# KiCad board Soldered Inkplate 10.kicad_pcb (continued)
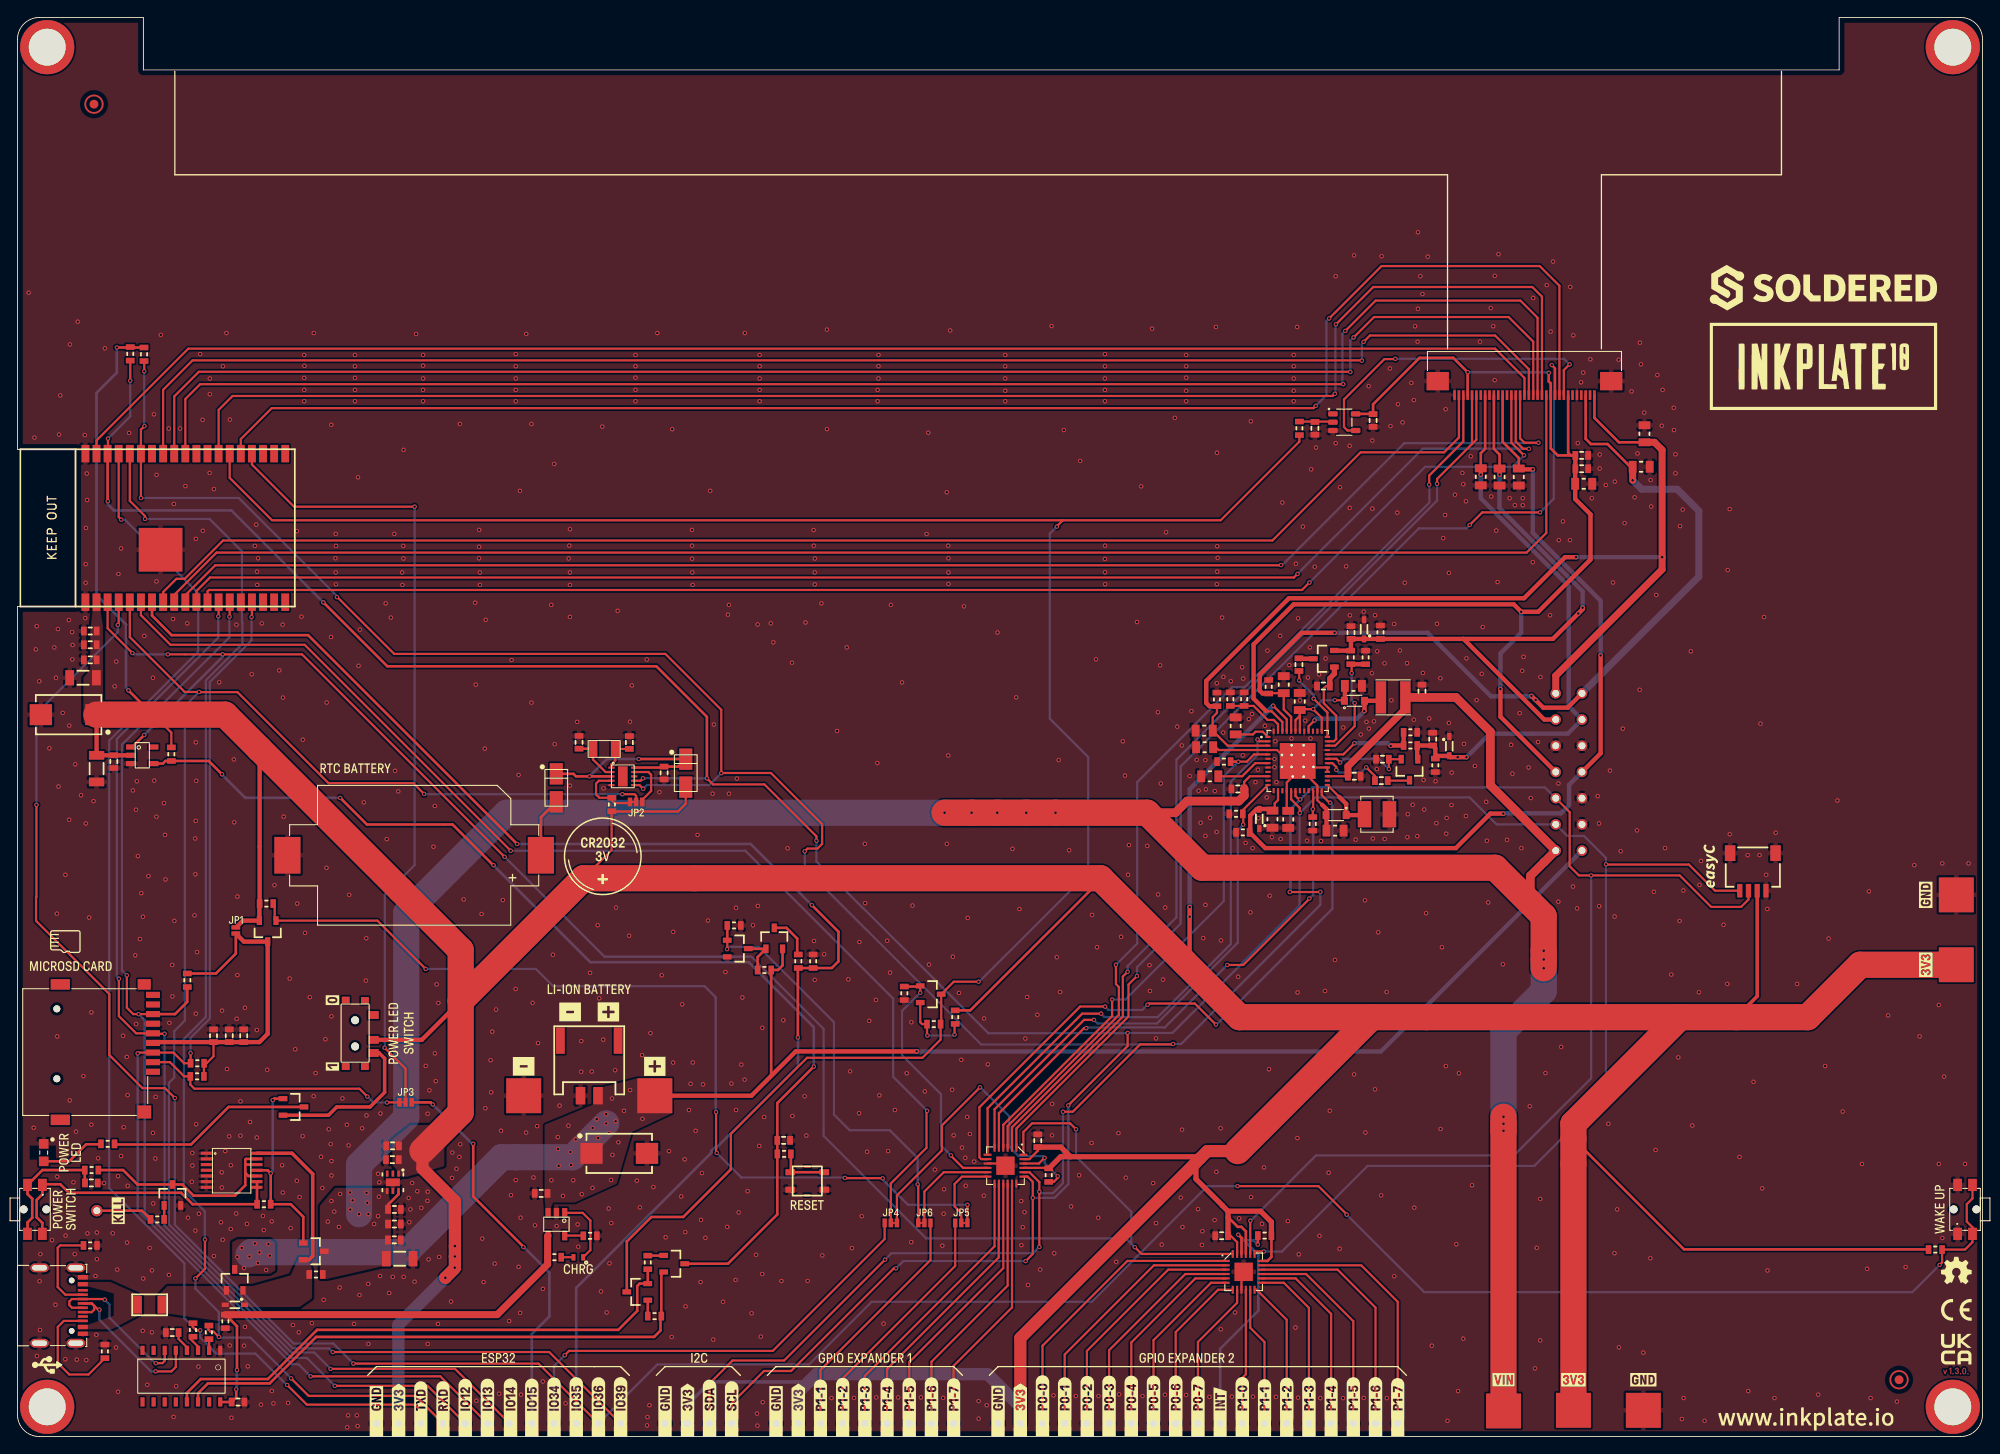
[diagram p0: board, top side]
## Footprints (pads in the part's own frame, mm; a bottom-side part is the same pattern mirrored in y, then rotated) (continued)
INKPLATE TEST HEADER
  round 1.2 hole 0.8: 1(-1.5,9) 2(-1.5,6) 3(-1.5,3) 4(-1.5,0) 5(-1.5,-3) 6(-1.5,-6) 7(-1.5,-9) 8(1.5,-9) 9(1.5,-6) 10(1.5,-3) 11(1.5,0) 12(1.5,3) 13(1.5,6) 14(1.5,9)
JST-2pin-SMD
  rect 1x3 smd: (-3.3,3.15) (3.3,3.15)
  rect 1.1x2 smd: 1(1,-3.15) 2(-1,-3.15)
K2-1114SA-A4SW-06
  round 0.9 hole 0.9 unplated: (0,1.3) (0,-1.3)
  rect 1.4x1 smd: 1(-2.8,0.85) 1(2.8,0.85) 2(-2.8,-0.85) 2(2.8,-0.85)
LTST-S270GKT
  rect 1.1x1.1 smd: 1(-1,0) 2(1,0)
M4_DIODA
  rect 2.45x1.5 smd: 1(-1.6,0) 2(1.6,0)
NR4012
  rect 1.2x3.7 smd: 1(-1.4,0) 2(1.4,0)
PAD_4x4
  rect 4x4 smd: 1(-0.2,0)
PAD_4x4#2
  rect 4x4 smd: 1(0,0)
PAD_4x4#3
  rect 4x4 smd: 1(0,-0.52)
PCAL6416AHF,128
  rect 0.9x0.24 smd: 1(-2.05,1.25) 2(-2.05,0.75) 3(-2.05,0.25) 4(-2.05,-0.25) 5(-2.05,-0.75) 6(-2.05,-1.25) 13(2.05,-1.25) 14(2.05,-0.75) 15(2.05,-0.25) 16(2.05,0.25) 17(2.05,0.75) 18(2.05,1.25)
  rect 0.24x0.9 smd: 7(-1.25,-2.05) 8(-0.75,-2.05) 9(-0.25,-2.05) 10(0.25,-2.05) 11(0.75,-2.05) 12(1.25,-2.05) 19(1.25,2.05) 20(0.75,2.05) 21(0.25,2.05) 22(-0.25,2.05) 23(-0.75,2.05) 24(-1.25,2.05)
  rect 2.1x2.1 smd: 25(0,0)
PCF85063A
  rect 1.1x2.3 smd: (0,0)
  rect 0.7x0.25 smd: 1(-1.3,1) 2(-1.3,0.5) 3(-1.3,0) 4(-1.3,-0.5) 5(-1.3,-1) 6(1.3,-1) 7(1.3,-0.5) 8(1.3,0) 9(1.3,0.5) 10(1.3,1)
SFV33R-1STE9HLF
  rect 0.3x1.1 smd: 1(-8,0.8) 2(-7.5,0.8) 3(-7,0.8) 4(-6.5,0.8) 5(-6,0.8) 6(-5.5,0.8) 7(-5,0.8) 8(-4.5,0.8) 9(-4,0.8) 10(-3.5,0.8) 11(-3,0.8) 12(-2.5,0.8) 13(-2,0.8) 14(-1.5,0.8) 15(-1,0.8) 16(-0.5,0.8) 17(0,0.8) 18(0.5,0.8) 19(1,0.8) 20(1.5,0.8) 21(2,0.8) 22(2.5,0.8) 23(3,0.8) 24(3.5,0.8) 25(4,0.8) 26(4.5,0.8) 27(5,0.8) 28(5.5,0.8) 29(6,0.8) 30(6.5,0.8) 31(7,0.8) 32(7.5,0.8) 33(8,0.8)
  rect 2.55x2.1 smd: 34(-9.925,-0.8) 34(9.925,-0.8)
SK-3296S-01-L1
  rect 0.9x1.2 smd: 1(2.1,-2.1) 2(-0.75,-2.1) 3(-2.25,-2.1)
  round 0.9 hole 0.9: MH1(-1.5,0) MH2(1.5,0)
  rect 0.8x0.9 smd: MP1(-3.8,-1.125) MP2(3.75,-1.125) MP3(3.8,1.075) MP4(-3.8,1.075)
SMD_JUMPER
  rect 0.5x1 smd: 1(-0.35,0) 2(0.35,0)
SMD_JUMPER_3_PAD_CONNECTED_LEFT_TRACE
  rect 0.5x1 smd: 1(-0.7,0) 3(0.7,0)
  custom 0.5x1 smd: 2(0,0)
SN74LVC1G34DBV
  rrect 1.1x0.6 smd: 1(-1.3,0.95) 2(-1.3,0) 3(-1.3,-0.95) 4(1.3,-0.95) 5(1.3,0.95)
SOD-323
  rect 0.8x0.5 smd: 1(-1.1,0) 2(1.1,0)
SOD-323-2
  rect 0.8x0.9 smd: 1(-1.15,0) 2(1.15,0)
SOP-16
  rect 1.05x0.48 smd: 1(-2.95,4.445) 2(-2.95,3.175) 3(-2.95,1.905) 4(-2.95,0.635) 5(-2.95,-0.635) 6(-2.95,-1.905) 7(-2.95,-3.175) 8(-2.95,-4.445) 9(2.95,-4.445) 10(2.95,-3.175) 11(2.95,-1.905) 12(2.95,-0.635) 13(2.95,0.635) 14(2.95,1.905) 15(2.95,3.175) 16(2.95,4.445)
SOT-23-3
  rect 1x0.6 smd: 1(-1.2,0.95) 2(-1.2,-0.95) 3(1.2,0)
SOT-23-5
  rect 1.1x0.6 smd: 1(-1.3,0.95) 2(-1.3,0) 3(-1.3,-0.95) 4(1.3,-0.95) 5(1.3,0.95)
Standoff_M3
  round 6.2 hole 4.22: (0,0)
TPS7A2633DRVR
  rect 0.7x0.3 smd: 1(-0.995,0.65) 2(-0.995,0) 3(-0.995,-0.65) 4(0.995,-0.65) 5(0.995,0) 6(0.995,0.65)
  rect 0.89x1.6 smd: 5(0,0)
TSSOP-14
  rect 1.26x0.36 smd: 1(-2.9,1.95) 2(-2.9,1.3) 3(-2.9,0.65) 4(-2.9,0) 5(-2.9,-0.65) 6(-2.9,-1.3) 7(-2.9,-1.95) 8(2.9,-1.95) 9(2.9,-1.3) 10(2.9,-0.65) 11(2.9,0) 12(2.9,0.65) 13(2.9,1.3) 14(2.9,1.95)
U262-161N-4BVC11
  round 0.65 hole 0.65 unplated: (-2.913,-3.2) (2.862,-3.2)
  rect 0.3x1.15 smd: A1(3.337,-4.475) A4(2.537,-4.475) A5(1.237,-4.475) A6(0.237,-4.475) A7(-0.263,-4.475) A8(-1.263,-4.475) A9(-2.563,-4.475) A12(-3.338,-4.475) B1(-3.138,-4.475) B4(-2.363,-4.475) B5(-1.763,-4.475) B6(-0.763,-4.475) B7(0.737,-4.475) B8(1.737,-4.475) B9(2.337,-4.475) B12(3.112,-4.475)
  oval 1x2.1 hole 0.6x1.7: SH(-4.313,0.475) SH(-4.313,-3.675) SH(4.312,0.475) SH(4.312,-3.675)
VQFN-49
  rect 0.6x0.24 smd: 1(-3.4,2.75) 2(-3.4,2.25) 3(-3.4,1.75) 4(-3.4,1.25) 5(-3.4,0.75) 6(-3.4,0.25) 7(-3.4,-0.25) 8(-3.4,-0.75) 9(-3.4,-1.25) 10(-3.4,-1.75) 11(-3.4,-2.25) 12(-3.4,-2.75) 25(3.4,-2.75) 26(3.4,-2.25) 27(3.4,-1.75) 28(3.4,-1.25) 29(3.4,-0.75) 30(3.4,-0.25) 31(3.4,0.25) 32(3.4,0.75) 33(3.4,1.25) 34(3.4,1.75) 35(3.4,2.25) 36(3.4,2.75)
  rect 0.24x0.6 smd: 13(-2.75,-3.4) 14(-2.25,-3.4) 15(-1.75,-3.4) 16(-1.25,-3.4) 17(-0.75,-3.4) 18(-0.25,-3.4) 19(0.25,-3.4) 20(0.75,-3.4) 21(1.25,-3.4) 22(1.75,-3.4) 23(2.25,-3.4) 24(2.75,-3.4) 37(2.75,3.4) 38(2.25,3.4) 39(1.75,3.4) 40(1.25,3.4) 41(0.75,3.4) 42(0.25,3.4) 43(-0.25,3.4) 44(-0.75,3.4) 45(-1.25,3.4) 46(-1.75,3.4) 47(-2.25,3.4) 48(-2.75,3.4)
  round 0.5 hole 0.3: 49(-1.8,0.685) 49(-1.8,-0.685) 49(-0.685,1.8) 49(-0.685,0.685) 49(-0.685,-0.685) 49(-0.57,-1.78) 49(0.685,1.8) 49(0.685,0.685) 49(0.685,-0.685) 49(0.685,-1.8) 49(1.8,0.685) 49(1.8,-0.685)
  rect 4.1x4.1 smd: 49(0,0)
YTSA007A0151803B
  rect 0.7x0.25 smd: (0,1.625) (0,-1.625)
  rect 1.1x0.7 smd: 1(-1.95,1) 1(1.95,1) 2(-1.95,-1) 2(1.95,-1)

## Nets
3V3: C21.2 C23.2 C31.2 C33.2 C44.2 C45.2 C46.2 C47.2 C48.2 C49.1 C50.2 D11.1 JP1.2 K3.3 K5.1 K15.1 K47.1 K50.1 PAD4.1 PAD5.1 Q10.2 R1.2 R4.2 R20.2 R22.2 R40.1 R41.2 R42.2 R47.1 R48.1 S1.2 U1.45 U2.2 U6.1 U9.21 U9.23 U10.2 U11.18 U11.21 U11.23
3V3-EINK: C41.2 C42.2 C43.2 C55.2 K1.4 K12.7 K12.11 K12.30 U1.46 U8.5
3V3_MICROSD: C37.2 C38.2 C39.2 JP1.1 K11.4 Q10.3 R43.2 R44.2 R45.2
3V3_RTC: C36.2 D11.2 D12.2 U7.3 U7.10
/POWER/VDDH_D: C19.2 D7.1 U1.35
/POWER/VDDH_DRV: C17.1 U1.36
/POWER/VDDH_FB: R13.1 R14.2 U1.34
/POWER/VEE_D: C18.2 D6.2 U1.31
/POWER/VEE_DRV: C16.2 U1.30
/POWER/VEE_FB: R15.1 R16.2 U1.32
GND: C1.1 C2.1 C3.1 C4.1 C5.1 C6.1 C7.1 C8.1 C9.1 C10.1 C11.1 C12.1 C13.1 C14.1 C15.1 C18.1 C19.1 C20.1 C21.1 C22.1 C23.1 C24.2 C25.1 C26.1 C27.1 C28.1 C29.1 C30.1 C31.1 C32.1 C33.1 C34.1 C35.1 C36.1 C37.1 C38.1 C39.1 C40.1 C41.1 C42.1 C43.1 C44.1 C45.1 C46.1 C47.1 C48.1 C49.2 C50.1 C51.1 C52.1 C53.1 C54.1 C55.1 C56.1 D2.1 D4.2 D5.2 D9.2 K1.3 K1.9 K1.10 K1.12 K2.A1 K2.A12 K2.B1 K2.B12 K2.SH K3.4 K3.5 K4.2 K8.1 K10.- K11.6 K12.5 K12.33 K12.34 K48.1 K51.1 K52.1 L1.1 PAD2.1 PAD8.1 PAD9.1 Q4.2 Q8.2 R2.1 R3.1 R5.2 R6.2 R7.2 R8.2 R9.2 R10.1 R11.1 R12.1 R14.1 R16.1 R17.2 R18.2 R19.1 R25.1 R31.1 R32.2 R36.1 SW1.1 SW3.1 U1.6 U1.8 U1.33 U1.41 U1.48 U2.3 U3.1 U4.2 U5.1 U5.2 U5.5 U5.6 U5.7 U6.5 U7.5 U8.3 U9.9 U9.18 U9.25 U10.1 U10.15 U10.38 U10.39 U11.9 U11.25
VBAT: C24.1 C25.2 K1.8 K4.1 PAD1.1 Q5.2 Q7.3 R29.2 U4.3
VDDH: C14.2 C52.2 D2.2 D7.2 K1.2 K12.24 R10.2 R13.2
VEE: C15.2 C53.2 D5.1 D6.1 K1.13 K12.26 R12.2 R15.2
VIN: C5.2 C8.2 C10.2 C27.2 C28.2 C29.2 C30.2 K1.7 L2.1 PAD3.1 Q9.3 R34.2 U1.10 U1.27 U6.4 U6.6
/CTRL & COMS/CH_RXD: R23.1 U3.3
/CTRL & COMS/CH_TXD: R24.1 U3.2
/CTRL & COMS/DTR: Q3.2 R26.2 U3.13
/CTRL & COMS/RTS: Q2.2 R27.2 U3.14
/MCU/GPB_3: K19.1 U9.13
/MCU/GPB_4: K20.1 U9.14
/MCU/GPB_5: K23.1 U9.15
/MCU/GPB_6: K21.1 U9.16
/MCU/GPB_7: K22.1 U9.17
/POWER/INT_LDO: C4.2 U1.7
/POWER/TS: R2.2 R3.2 U1.47
/POWER/VB: C11.2 C12.2 D3.1 U1.37 U1.42 U1.43
/POWER/VB_SW: D3.2 L2.2 U1.40
/POWER/VN: C3.2 C7.2 C9.2 D1.2 U1.4 U1.16 U1.23 U1.28 U1.29 U1.49
/POWER/VN_SW: D1.1 L1.2 U1.25
/POWER/VREF: C1.2 U1.1
/SD_RTC_GPIO/CLKOUT_RTC: JP2.3 U7.9
/SD_RTC_GPIO/X1: C34.2 U7.1 X1.1
/SD_RTC_GPIO/X2: C35.2 U7.2 X1.2
D+: K2.A6 K2.B6 U3.5
D-: K2.A7 K2.B7 U3.6
EPD_CKV: K12.32 U10.8
EPD_CL: K12.8 U8.4
EPD_D0: K12.13 U10.26
EPD_D1: K12.14 U10.29
EPD_D2: K12.15 U10.30
EPD_D3: K12.16 U10.31
EPD_D4: K12.17 U10.37
EPD_D5: K12.18 U10.10
EPD_D6: K12.19 U10.11
EPD_D7: K12.20 U10.12
EPD_GMODE: K12.28 K12.29 U9.2
EPD_LE: K12.9 U10.24
EPD_OE: K12.10 U9.1
EPD_SPH: K12.12 U10.9
EPD_SPV: K12.31 U9.3
GPIO15: JP3.3 K38.1
GPIO_0: Q1.3 Q3.3 R21.1 R46.1 U10.25
GPIO_0_MOSFET: Q1.1 R19.2 U9.10
GPIO_36: K37.1 R41.1 SW3.2 U10.4
GPIO_39: JP2.2 K36.1 U10.5
I2C_SCL: K1.6 K3.1 K6.1 R1.1 U1.17 U7.7 U9.19 U10.36 U11.19
I2C_SDA: K1.5 K3.2 K7.1 R4.1 U1.18 U7.6 U9.20 U10.33 U11.20
INT: U1.2 U9.7
INTB: JP4.1 R47.2 U9.22
IO34: JP4.2 U10.6
MANUAL_RST: C26.2 Q2.3 R22.1 R33.2 U2.4
PWR_GOOD: U1.24 U9.8
PWRUP: R7.1 U1.22 U9.5
RST: U2.1 U9.24 U10.3 U11.24
RXD: K17.1 R24.2 U10.34
SD_ENABLE: JP5.1 Q10.1 R40.2
SPI_CS: JP3.2 U10.23
SPI_MISO: K11.7 K26.1 R45.1 U10.14
SPI_MOSI: K11.3 K27.1 R44.1 U10.16
SPI_SCK: K11.5 K25.1 U10.13
SW_IN: D10.2 Q7.2 Q9.2 R34.1 U5.14
SW_OUT_D: Q6.1 Q9.1 R38.2 U5.11
TXD: K16.1 R23.2 U10.35
V_BAT: K14.1 R30.1 R31.2 U10.7
V_BAT_MOS: JP6.1 Q4.1 R25.2
VCOM: C6.2 C56.2 D4.1 K1.11 K12.22 R11.2 U1.14
VCOM_CTRL: R6.1 U1.12 U9.6
VNEG: C2.2 C51.2 K1.1 K12.1 R8.1 U1.3
VPOS: C13.2 C54.2 K1.14 K12.3 R9.1 U1.44
VUSB: C20.2 D10.1 F1.1 Q7.1 R28.1 R36.2 U3.16 U4.4
WAKEUP: R5.1 U1.5 U9.4
Net-(C16-Pad1): C16.1 D6.3
Net-(C17-Pad2): C17.2 D7.3
Net-(C22-Pad2): C22.2 U3.4
Net-(C32-Pad2): C32.2 R39.1 SW2.2
Net-(C40-Pad2): C40.2 R46.2 U8.2
Net-(D8-Pad1): D8.1 R28.2
Net-(D8-Pad2): D8.2 U4.1
Net-(D9-Pad1): D9.1 R35.2
Net-(D12-Pad1): D12.1 K10.+
Net-(F1-Pad2): F1.2 K2.A4 K2.A9 K2.B4 K2.B9
Net-(JP2-Pad1): JP2.1 R42.1 U7.4
Net-(JP3-Pad1): JP3.1 K11.2 R43.1
Net-(JP4-Pad3): JP4.3 K13.1
Net-(JP5-Pad2): JP5.2 U9.12
Net-(JP5-Pad3): JP5.3 K18.1
Net-(JP6-Pad2): JP6.2 U9.11
Net-(JP6-Pad3): JP6.3 K24.1
Net-(K2-PadA5): K2.A5 R18.1
Net-(K2-PadB5): K2.B5 R17.1
Net-(K9-Pad1): K9.1 R37.2
Net-(K28-Pad1): K28.1 U11.1
Net-(K29-Pad1): K29.1 U11.2
Net-(K30-Pad1): K30.1 U11.3
Net-(K31-Pad1): K31.1 U11.4
Net-(K32-Pad1): K32.1 U11.5
Net-(K33-Pad1): K33.1 U11.6
Net-(K34-Pad1): K34.1 U11.7
Net-(K35-Pad1): K35.1 U11.8
Net-(K39-Pad1): K39.1 U11.10
Net-(K40-Pad1): K40.1 U11.11
Net-(K41-Pad1): K41.1 U11.12
Net-(K42-Pad1): K42.1 U11.13
Net-(K43-Pad1): K43.1 U11.14
Net-(K44-Pad1): K44.1 U11.15
Net-(K45-Pad1): K45.1 U11.16
Net-(K46-Pad1): K46.1 U11.17
Net-(K49-Pad1): K49.1 R48.2 U11.22
Net-(Q1-Pad2): Q1.2 R20.1 R21.2
Net-(Q2-Pad1): Q2.1 R26.1
Net-(Q3-Pad1): Q3.1 R27.1
Net-(Q4-Pad3): Q4.3 Q5.1 R29.1
Net-(Q5-Pad3): Q5.3 R30.2
Net-(Q6-Pad2): Q6.2 S1.3
Net-(Q6-Pad3): Q6.3 R35.1
Net-(Q8-Pad1): Q8.1 R37.1
Net-(Q8-Pad3): Q8.3 R39.2 U5.10 U5.12 U5.13
Net-(R32-Pad1): R32.1 U4.5
Net-(R33-Pad1): R33.1 SW1.2
Net-(R38-Pad1): R38.1 SW2.1 U5.8 U5.9

Pads without a net: FD1 1; FD2 1; K2 A8 B8; K11 1 8 12 CD MNT; K12 2 4 6 21 23 25 27; S1 1 MH1 MH2 MP1 MP2 MP3 MP4; U1 9 11 13 15 19 20 21 26 38 39; U2 5; U3 7 8 9 10 11 12 15; U5 3 4; U6 2 3; U7 8; U8 1; U10 17 18 19 20 21 22 27 28 32

## Via types
v1: diameter 0.5, hole 0.3, Top to Bottom, 1292 vias

## Routing (per net, layer and track width the routed paths; a pad name or vN(x,y) marks a point on that pad's centre or on a via; arc(x,y) is an arc through that point)
3V3: length 763.9
  Top w0.254: U9.23 115.76,31.75 116.72,32.71 C44.2 ; D11.1 76.45,72.42 75.57,71.54 68.03,71.54 R42.2 67.97,71.53 67.97,67.12 64.75,63.9 ; 15.55,82.62 17.6,80.57 R22.2 ; U9.21 117.91,30.75 R47.1 ; C50.2 138.78,22.99 139.53,22.25 U11.23 ; v1(143.65,83.65) 145.21,82.09 U1.45
  Top w0.3: 178,34.07 190.65,21.43 218.6,21.43 R41.2 ; 138.49,25.12 139.6,24 140.01,24 140.53,23.49 U11.21 ; JP1.2 25.02,58.28 ; R48.1 143.45,20.55 143,20.1 U11.18 ; 123.9,63.9 123.9,63.68 109,48.78 R20.2 ; v1(11.37,124.65) R4.2 ; v1(12.7,85.4) 15.48,82.62 15.55,82.62
  Top w0.4: K3.3 199.03,50.4 196.63,48
  Top w0.5: 133.52,54.28 134.09,54.85 134.09,59.49 v1(134.1,59.5) v1(134.1,60.6) ; 50.7,49.85 46.25,45.4 S1.2 ; R40.1 27.7,78.68 27.65,78.73 ; 25.02,58.28 25.79,59.05 Q10.2 27.68,60.97 ; U2.2 C21.2 9.05,82.6 C49.1
  Top w0.6: C44.2 119.36,33.13 120.46,32.03 ; 135.31,31.86 135.14,32.03 120.46,32.03 ; R47.1 118,30.69 119.34,32.03 120.46,32.03 ; 138.49,25.79 142.21,25.79 143.45,24.55 R48.1 ; 138.49,25.79 C50.2 ; 138.49,25.79 137.85,26.42 137.85,26.44 134.83,29.47 134.83,31.38
  Top w0.8: 50.02,19.25 v1(50.02,19.33) 50.04,19.35
  Top w1: 154.72,47.93 154.84,47.93 154.92,48
  Top w1.4: K47.1 114.72,11.27 136.12,32.67 139.59,32.67 ; 50.02,19.25 48.95,18.18 v1(48.95,18.17) ; 46.33,32.72 46.33,30.68 50.04,26.97 v1(50.04,21.8) v1(50.04,20.61) 50.04,19.35
  Top w3: 190.2,48 139.8,48 123.9,63.9 64.75,63.9 50.7,49.85 ; 190.2,48 204.8,48 210.8,54 PAD4.1 ; 190.2,48 178,35.8 PAD5.1 ; 50.7,49.85 50.7,37.09 46.33,32.72 ; 50.7,49.85 50.7,55.68 23.75,82.62 C49.1 ; 139.59,32.67 154.72,47.81 154.72,47.93
  Bottom w0.3: v1(12.7,85.4) 12.43,85.68 12.43,92.94 9.04,96.32 9.04,119.45 11.37,121.78 v1(11.37,124.65)
  Bottom w0.4: 90.5,6.25 79.25,6.25 76.62,3.62 K5.1
  Bottom w0.5: v1(134.1,59.5) v1(134.1,60.6) 134.1,74.1 v1(143.65,83.65)
  Bottom w0.8: 50.02,19.24 v1(50.02,19.33) 50.04,19.35
  Bottom w1.4: K15.1 43.58,1.53 43.58,12.81 48.94,18.17 v1(48.95,18.17) 50.02,19.24 ; K47.1 114.72,3.41 110.99,7.14 91.39,7.14 89.32,5.07 K50.1 ; v1(50.04,21.8) v1(50.04,20.61) 50.04,19.35
3V3-EINK: length 137.2
  Top w0.254: 142.83,83.01 143.48,83.01 144.71,81.78 U1.46 ; 155.06,117.05 C41.2
  Top w0.3: 177.7,112.3 C43.2 ; 177.7,112.3 176.2,112.3 175.4,113.1 K12.11 175.4,120.55 175.17,120.78 v1(175.17,121.75) ; 177.7,112.3 177.4,112.6 K12.7 ; C41.2 155.08,118.16 160.4,123.47 164.25,123.47 v1(165.9,121.82) K12.30 ; U8.5 155.06,117.05
  Top w0.5: K1.4 169.65,82.39 v1(169.65,85.55) ; 142.83,83.04 141.41,84.46 141.41,90.66 146,95.25 171.17,95.25 v1(172.03,94.4) 173.97,94.4 179.95,100.38 179.95,105.56 178.2,107.31 178.2,110.75 C42.2 C43.2
  Bottom w0.3: v1(175.17,121.75) 175.1,121.82 v1(165.9,121.82)
  Bottom w0.5: v1(169.65,85.55) 169.65,89.62 172.03,92 v1(172.03,94.4)
3V3_MICROSD: length 41.5
  Top w0.254: R43.2 21.33,42.7 R44.2 21.64,42.72 22.43,43.51 C39.2
  Top w0.3: R45.2 22.7,53 24.98,55.28 24.98,57.57
  Top w0.5: K11.4 15.59,45.15 C39.2 27.68,45.15 28.62,46.09 Q10.3 25.9,56.65 24.98,57.57
3V3_RTC: length 24.6
  Top w0.3: U7.10 70.56,76.57 73.86,76.57 C36.2 75.6,76.68 D11.2 76.43,77.55 v1(71.07,77.55) ; D12.2 63.61,75.85 63.9,75.56 v1(65.44,75.56) U7.3
  Bottom w0.3: v1(65.44,75.56) 67.43,77.55 v1(71.07,77.55)
/POWER/VDDH_D: length 10.7
  Top w0.254: U1.35 150.6,79.57 150.86,79.84 150.86,82.51 149.44,83.93 149.44,85.63 149.71,85.9 C19.2
  Top w0.6: 150.65,88.07 150.65,87.3 150.13,86.78 C19.2
/POWER/VDDH_DRV: length 8.9
  Top w0.254: v1(146.62,86.55) 146.62,87.59 C17.1 ; v1(148.28,84.45) 149.86,82.88 U1.36
  Bottom w0.254: v1(146.62,86.55) 146.62,86.5 148.28,84.84 v1(148.28,84.45)
/POWER/VDDH_FB: length 13
  Top w0.254: U1.34 150.74,79.07 152.97,81.31 v1(152.97,83.95) ; v1(152.62,87.38) 152.62,88.3 R13.1
  Top w0.5: R13.1 R14.2
  Bottom w0.254: v1(152.62,87.38) 152.62,84.3 v1(152.97,83.95)
/POWER/VEE_D: length 10.4
  Top w0.254: v1(156.89,76.4) 156.88,76.41 C18.2 158.3,77.53 ; v1(151.31,77.15) 150.88,77.57 U1.31
  Bottom w0.254: v1(156.89,76.4) 155.71,77.58 151.74,77.58 v1(151.31,77.15)
/POWER/VEE_DRV: length 7.2
  Top w0.254: v1(154.3,76.59) 155.3,75.59 C16.2 ; v1(150.87,76.3) 150.87,76.63 150.43,77.07 U1.30
  Bottom w0.254: v1(150.87,76.3) 151.16,76.01 153.72,76.01 v1(154.3,76.59)
/POWER/VEE_FB: length 10.9
  Top w0.254: U1.32 151.69,78.07 152.95,79.34 v1(152.95,79.36)
  Top w0.5: v1(157.09,79.04) 157.15,79.1 R15.1 R16.2
  Bottom w0.5: v1(157.09,79.04) 156.77,79.36 v1(152.95,79.36)
GND: length 4.3
  Top w0.254: U9.9 112.78,31.25 U9.25 ; U11.9 140.03,18.6 U11.25
  vias: v1(1.28,130.93) v1(1.85,35.35) v1(1.94,114.34) v1(2.1,90.1) v1(2.2,92.75) v1(2.23,9.22) v1(2.5,86.45) v1(2.53,17.78) v1(2.58,12.2) v1(2.62,20.88) v1(3.65,78.78) v1(3.95,22.47) v1(4.22,90.32) v1(4.34,15.09) v1(4.4,86.85) v1(4.5,59.85) v1(4.55,45.8) v1(4.55,29.75) v1(4.62,92.42) v1(4.75,114.69) v1(4.7,74.4) v1(4.9,119.16) v1(5.18,82.82) v1(5.48,64.3) v1(5.5,23) v1(5.48,8.85) v1(5.88,93.45) v1(5.93,81.38) v1(5.91,70.6) v1(6,125) v1(5.98,38.47) v1(6.25,92.07) v1(6.3,90.6) v1(6.28,88.95) v1(6.4,29.1) v1(6.55,20.88) v1(6.61,76.94) v1(6.7,34.9) v1(6.79,8.8) v1(6.89,127.61) v1(7.28,73.4) v1(7.55,41.25) v1(7.7,114.62) v1(7.75,93.68) v1(7.83,104) v1(7.8,99.85) v1(7.8,97.72) v1(7.81,70.17) v1(7.88,8.75) v1(7.93,110.22) v1(7.98,107.2) v1(8,23.25) v1(8.2,59.4) v1(8.45,48.55) v1(8.45,35.7) v1(8.7,72.72) v1(8.93,18.38) v1(9.08,23.35) v1(9.08,20.3) v1(9.03,11.65) v1(9.23,31.85) v1(9.9,29) v1(10,124.55) v1(10.89,23.27) v1(11.12,85.86) v1(11.3,88.7) v1(11.28,10.19) v1(11.41,19.11) v1(11.55,98.72) v1(11.5,29.8) v1(11.51,5.13) v1(11.85,101.65) v1(11.85,32.1) v1(12.08,45.88) v1(12.15,35.4) v1(12.5,43.45) v1(12.53,22.2) v1(12.6,39.07) v1(12.6,28.7) v1(12.78,114.88) v1(13.2,73.95) v1(13.55,71.75) v1(13.48,55.07) v1(13.58,47.22) v1(13.65,75) v1(13.77,66.43) v1(14,56.95) v1(14.17,62.19) v1(14.35,59.5) v1(14.33,12.1) v1(14.39,18.08) v1(14.51,91.64) v1(14.85,5.93) v1(14.98,64.14) v1(15.12,21.58) v1(15.38,11.93) v1(15.38,19.01) v1(15.5,86.85) v1(15.5,34.75) v1(15.53,26.68) v1(15.6,117) v1(15.65,75.07) v1(15.77,31.82) v1(15.8,38.88) v1(15.91,110.07) v1(15.9,97.88) v1(15.9,70.95) v1(16.4,126.1) v1(16.75,72.5) v1(16.88,68.87) v1(16.93,63.76) v1(17.3,115.38) v1(17.38,47.35) v1(17.32,18.5) v1(17.7,53.97) v1(17.73,50.38) v1(17.8,93.57) v1(17.86,2.25) v1(17.88,106.74) v1(17.95,59.03) v1(18.15,5.75) v1(18.6,115.38) v1(19.21,108.78) v1(19.43,93.07) v1(19.5,25.05) v1(19.94,29.16) v1(20,32.45) v1(20.01,31.02) v1(20.25,59.65) v1(20.33,68.45) v1(20.35,64.35) v1(20.35,23.57) v1(20.4,102.75) v1(20.4,79.45) v1(20.45,75.05) v1(20.39,70.47) v1(20.4,48.4) v1(20.44,35.74) v1(20.55,55.45) v1(20.75,25.5) v1(20.7,8) v1(20.9,123.9) v1(21.18,116.38) v1(21.2,103.67) v1(22,121.1) v1(22,119.3) v1(21.98,110.3) v1(22.47,108.44) v1(22.48,20.65) v1(23.08,86.33) v1(23.36,30.24) v1(23.38,28.5) v1(23.28,24.53) v1(23.4,48.75) v1(23.5,122.5) v1(23.48,22.53) v1(23.77,32.67) v1(23.9,126.3) v1(23.97,42.06) v1(24.23,34.35) v1(24.3,116.4) v1(24.28,10.43) v1(24.41,31.05) v1(24.4,23.75) v1(24.48,2.15) v1(24.75,77.5) v1(24.8,70.3) v1(25.05,92.93) v1(25.08,47.82) v1(25.03,25.53) v1(25.16,61.81) v1(25.16,52.82) v1(25.51,38.36) v1(25.51,34.43) v1(25.93,10.4) v1(26.02,49.08) v1(26.03,12.55) v1(26.24,24.33) v1(26.34,8.03) v1(26.6,36) v1(26.8,87.25) v1(27.15,101.95) v1(27.31,104.38) v1(27.38,46.53) v1(27.38,34.22) v1(27.4,99) v1(27.43,97.48) v1(27.52,100.53) v1(27.85,3.65) v1(27.95,93.07) v1(28.08,25.25) v1(28.18,23.62) v1(28.57,41.97) v1(29.08,24.62) v1(29.09,5.21) v1(29.28,3.79) v1(29.4,63.1) v1(29.95,87.69) v1(30.33,92.93) v1(30.37,84.58) v1(30.28,31.05) v1(30.35,27.93) v1(30.45,70.95) v1(30.96,3.85) v1(31.14,52.42) v1(31.25,23.85) v1(31.5,12.78) v1(31.78,44.32) v1(31.96,103.63) v1(31.95,29.28) v1(32,61) v1(32.18,11.93) v1(32.28,27.4) v1(32.49,93.84) v1(32.64,79.76) v1(32.62,34.38) v1(32.8,123.8) v1(32.83,122.55) v1(32.8,121.17) v1(32.8,119.8) v1(32.8,118.5) v1(32.9,57.65) v1(33.44,50.28) v1(33.68,12.97) v1(33.88,38.95) v1(33.9,126.3) v1(34.1,41.6) v1(34.72,32.03) v1(34.88,28.45) v1(35.03,15.65) v1(35.22,45.47) v1(35.37,84.01) v1(35.35,65.1) v1(35.6,35.18) v1(35.87,91.52) v1(35.83,33.47) v1(35.9,115.8) v1(35.92,48.09) v1(35.92,31.53) v1(35.93,29.88) v1(36.38,100.53) v1(36.4,103.32) v1(36.43,101.95) v1(36.4,98.9) v1(36.43,97.54) v1(36.85,17.05) v1(37.18,38.7) v1(37.68,35.69) v1(37.72,1.05) v1(37.88,33.32) v1(37.83,2.43) v1(37.95,62) v1(38.5,12.9) v1(38.6,123.8) v1(38.6,122.5) v1(38.6,121.17) v1(38.6,119.8) v1(38.6,118.5) v1(38.83,2.43) v1(38.96,109.79) v1(38.9,1.2) v1(39.02,88.22) v1(39.17,92.36) v1(39.12,16.2) v1(39.43,35.28) v1(39.62,72.59) v1(39.85,52.19) v1(39.9,57.03) v1(39.93,36.75) v1(40.12,17.47) v1(40.15,10.6) v1(41.25,30.07) v1(41.4,29.09) v1(41.47,18.38) v1(41.53,36.97) v1(42.12,95.36) v1(42.24,68.38) v1(42.53,16.43) v1(42.71,93.74) v1(42.93,18.28) v1(43.11,103.32) v1(43.2,76.2) v1(43.57,73.84) v1(44,98.9) v1(44.03,97.48) v1(44.17,112.94) v1(44.14,101.95) v1(44.15,100.5) v1(44.18,18.28) v1(44.75,27.3) v1(44.83,24.53) v1(44.95,26) v1(45.15,29.03) v1(45.43,17.72) v1(45.6,126.2) v1(45.74,28.07) v1(46.2,26.18) v1(46.4,123.8) v1(46.4,122.58) v1(46.4,121.1) v1(46.4,119.8) v1(46.4,118.5) v1(46.7,42.43) v1(46.93,36.95) v1(46.93,28.03) v1(46.9,26.97) v1(46.93,10.6) v1(47.03,20.28) v1(47.12,39.62) v1(47.59,67.51) v1(47.74,72.17) v1(47.75,43.85) v1(47.85,40.68) v1(47.95,51.75) v1(48.15,49.62) v1(48.1,12.9) v1(48.25,20.55) v1(49.6,15.45) v1(49.75,32.5) v1(49.7,29.6) v1(50.22,30.65) v1(50.55,32) v1(50.6,115.9) v1(50.65,33.45) v1(51.04,61.48) v1(52.36,95.44) v1(52.42,86.07) v1(52.5,4.1) v1(52.83,103.78) v1(52.82,101.84) v1(52.8,100.53) v1(52.9,98.9) v1(52.9,97.48) v1(53.09,59.81) v1(53.17,22.65) v1(53.32,17.68) v1(53.46,78.74) v1(53.56,93.48) v1(53.53,37.57) v1(54.12,43.07) v1(54.19,39.39) v1(54.32,46.34) v1(54.59,19.79) v1(54.75,48.88) v1(55.1,4.9) v1(55.33,35) v1(55.52,61.4) v1(56.25,13.22) v1(56.45,27.62) v1(56.52,88.87) v1(57,123.9) v1(57,122.5) v1(57,121.1) v1(57,119.8) v1(57,118.5) v1(56.99,51.23) v1(57,29.35) v1(57.33,75.72) v1(57.33,19.43) v1(57.48,108.25) v1(57.55,25.05) v1(57.5,14.15) v1(57.6,4.8) v1(58.2,126.2) v1(58.19,34.79) v1(58.8,115.9) v1(58.8,84) v1(58.93,49.64) v1(59.03,29.65) v1(59.2,24.18) v1(59.45,35.53) v1(59.55,45.03) v1(60.1,16.9) v1(60.1,6.3) v1(61.07,95.19) v1(61.25,55.15) v1(61.41,111.32) v1(61.45,79.25) v1(61.68,24.1) v1(62.01,37.88) v1(62.7,3.8) v1(63.05,100.5) v1(63.13,101.98) v1(63.2,103.85) v1(63.2,98.9) v1(63.2,97.48) v1(63.2,93.82) v1(63.2,74.5) v1(64.03,81.8) v1(64.08,24.28) v1(64.15,21.72) v1(64.5,45.26) v1(64.49,41.75) v1(65.5,53.07) v1(65.7,41.78) v1(66.38,58.53) v1(66.55,50.15) v1(66.75,16.6) v1(66.9,115.6) v1(67.04,74.19) v1(67.01,45.43) v1(67.4,14.2) v1(67.63,26.1) v1(67.72,19.82) v1(67.93,24.43) v1(68.38,41.93) v1(68.47,60.55) v1(68.66,94.51) v1(69.97,57.32) v1(70.07,81.82) v1(70.28,85.97) v1(70.7,123.8) v1(70.7,122.5) v1(70.7,121.2) v1(70.7,119.8) v1(70.7,118.5) v1(70.85,29.29) v1(71.2,26.22) v1(71.45,43.65) v1(71.99,88.94) v1(72.03,1.28) v1(72.08,2.22) v1(72.3,3.57) v1(72.41,46.17) v1(72.75,28.55) v1(73.2,126.3) v1(73.44,73.75) v1(73.7,52.8) v1(74.15,22.8) v1(74.53,32.66) v1(74.84,11.39) v1(74.9,115.3) v1(75.02,57.77) v1(75,42.8) v1(75.93,27.47) v1(76.05,49.47) v1(76.33,31.72) v1(76.4,23.4) v1(76.43,14.9) v1(76.81,37.37) v1(77,40.38) v1(77.15,103.78) v1(77.17,101.97) v1(77.18,100.47) v1(77.2,98.9) v1(77.24,97.48) v1(77.25,42.81) v1(77.58,35) v1(77.8,68.86) v1(78.15,17.68) v1(78.2,24.8) v1(78.3,30.15) v1(78.43,40.3) v1(78.7,22.75) v1(78.98,59.06) v1(79.25,108.25) v1(79.52,73.58) v1(79.67,81.5) v1(79.6,11.1) v1(80.71,15.43) v1(80.99,53.16) v1(81.2,24) v1(81.28,94.07) v1(81.38,95.19) v1(81.38,73.58) v1(81.68,40.4) v1(82.15,17.93) v1(82.2,60.53) v1(82.2,37.38) v1(82.31,75.31) v1(82.5,25.65) v1(82.81,42.57) v1(82.93,50.25) v1(83.2,126.3) v1(83.18,40.85) v1(83.53,28.07) v1(83.98,14.1) v1(84.14,58.52) v1(84.5,20.8) v1(84.6,2.62) v1(84.65,1.25) v1(84.68,92.95) v1(84.69,60.73) v1(84.86,33.27) v1(84.9,123.8) v1(84.9,122.5) v1(84.9,121.1) v1(84.9,119.8) v1(84.9,118.5) v1(85.03,11.44) v1(85.2,46.78) v1(85.2,18.6) v1(85.25,3.93) v1(85.43,36.57) v1(86.18,93.07) v1(86.47,90.9) v1(87.4,17.8) v1(87.61,47.65) v1(88.1,67.33) v1(88.6,88.57) v1(88.65,36.7) v1(90.05,38.95) v1(90.15,93.18) v1(90.25,34.45) v1(90.4,17.8) v1(91.08,103.75) v1(91.1,101.97) v1(91.12,56.72) v1(91.22,100.5) v1(91.2,98.9) v1(91.21,97.53) v1(91.2,52.27) v1(91.97,95.36) v1(92.08,20.72) v1(92.28,55.2) v1(92.6,126.7) v1(92.6,115.3) v1(93.12,4.4) v1(93.76,80.76) v1(94.87,90.32) v1(95.05,52.33) v1(95.25,41.8) v1(95.45,21.57) v1(95.7,4.43) v1(96.33,56.6) v1(96.28,37) v1(96.58,25.22) v1(96.93,67.84) v1(96.97,61.05) v1(97.2,32.6) v1(97.44,47.58) v1(98.2,49.97) v1(98.25,4.47) v1(98.37,77.09) v1(98.4,119.8) v1(98.4,118.5) v1(98.5,123.8) v1(98.5,122.5) v1(98.5,121.1) v1(98.6,39.05) v1(99.08,12.93) v1(99.5,56.75) v1(99.6,32.67) v1(99.83,53.1) v1(99.91,95.19) v1(100.38,37.38) v1(100.75,4.47) v1(101.19,86.31) v1(101.72,41.57) v1(102.26,47.42) v1(102.25,22.25) v1(102.39,60.78) v1(103.35,4.47) v1(103.8,39.5) v1(104,103.3) v1(104.2,114.9) v1(104.28,54.03) v1(104.95,30.55) v1(105.8,21.85) v1(105.95,25.5) v1(105.9,4.43) v1(106,28.3) v1(106.31,108.08) v1(106.32,67.84) v1(106.48,101.97) v1(106.5,100.53) v1(106.5,98.9) v1(106.5,97.59) v1(106.48,77.95) v1(106.7,126.6) v1(106.93,39.7) v1(107,54.92) v1(107.1,34.47) v1(107.7,50.78) v1(107.97,43.12) v1(108.05,33.07) v1(108.27,95.02) v1(108.43,31.9) v1(108.47,28.7) v1(108.65,36.57) v1(108.71,59.36) v1(108.95,34.62) v1(109.45,31.47) v1(109.95,4.05) v1(109.95,2.05) v1(110.55,27.57) v1(110.58,47.85) v1(110.88,3.57) v1(111,42.6) v1(112.11,92.03) v1(113,123.8) v1(113,122.5) v1(113,121.1) v1(113,119.7) v1(113,118.5) v1(113.83,67.27) v1(114.25,84.6) v1(114.62,60.38) v1(114.83,26.95) v1(114.85,21.9) v1(115,23.95) v1(115.2,25.68) v1(115.3,45.55) v1(115.51,50.3) v1(115.6,17.35) v1(116.68,48.28) v1(117,19.11) v1(118.3,127.1) v1(118.38,38.07) v1(118.35,34.47) v1(118.52,4.7) v1(118.61,20.97) v1(118.89,54.86) v1(119.11,77.43) v1(119.29,50.88) v1(119.7,115.2) v1(120.31,67.1) v1(120.53,26.33) v1(121.07,4.63) v1(121.45,29.9) v1(121.58,111.67) v1(122.88,33.6) v1(122.93,59.7) v1(123.38,88.96) v1(123.5,56) v1(123.64,25.04) v1(123.67,4.63) v1(124.4,123.9) v1(124.4,122.5) v1(124.4,121.1) v1(124.4,119.8) v1(124.4,118.5) v1(124.42,101.97) v1(124.4,100.45) v1(124.41,98.92) v1(124.43,97.55) v1(125.7,20) v1(125.95,34.72) v1(126.03,4.82) v1(126.25,57.2) v1(126.45,79.57) v1(126.7,75.65) v1(126.79,29.63) v1(127.05,64.3) v1(127.15,67.7) v1(128.08,93.23) v1(128.55,108.75) v1(128.7,4.63) v1(129.25,67.6) v1(129.5,53.95) v1(129.55,51) v1(129.8,126.8) v1(129.93,29) v1(130.24,45.57) v1(130.25,24.43) v1(130.47,82.9) v1(130.49,62.04) v1(130.72,88.27) v1(130.79,74.75) v1(130.9,21.97) v1(131.05,52.3) v1(131.27,4.79) v1(131.3,60.55) v1(131.4,103.5) v1(132.4,116.6) v1(132.68,81.25) v1(133.08,27.35) v1(133.2,79.1) v1(133.22,35.12) v1(133.28,23.97) v1(133.7,123.8) v1(133.7,122.5) v1(133.7,121.2) v1(133.7,119.7) v1(133.7,118.5) v1(133.69,4.76) v1(134.1,75.6) v1(134.3,83.03) v1(134.9,77.45) v1(135.05,26.03) v1(135.12,73.91) v1(135.35,70.25) v1(135.55,23.5) v1(135.5,21.93) v1(135.65,57.05) v1(135.9,77.43) v1(135.95,74.07) v1(135.9,68.75) v1(135.9,60.85) v1(136.36,4.54) v1(136.43,70.82) v1(136.97,73.88) v1(136.95,24.78) v1(137.1,127) v1(137.15,30.3) v1(137.22,112.6) v1(137.25,101.9) v1(137.25,99) v1(137.2,97.55) v1(137.2,86.22) v1(137.18,69.2) v1(137.3,100.58) v1(137.64,35.29) v1(137.65,12.28) v1(137.68,56.78) v1(137.81,93.74) v1(137.96,86.96) v1(137.95,80.57) v1(138.8,86.45) v1(138.93,4.57) v1(139.29,14.2) v1(139.65,52.63) v1(139.75,24.97) v1(140.1,88.05) v1(140.22,86.75) v1(140.18,77.97) v1(140.5,67.95) v1(140.88,82.12) v1(141.05,60) v1(141.1,116.2) v1(141.12,27.4) v1(141.22,82.7) v1(141.3,67.35) v1(141.35,4.57) v1(141.62,74.9) v1(141.9,76.32) v1(141.97,70.78) v1(142.38,24.35) v1(142.6,30.8) v1(142.7,81.35) v1(142.9,73.15) v1(143,89.95) v1(143.25,61.9) v1(143.18,42.04) v1(143.5,68.6) v1(143.8,77.55) v1(143.8,76.6) v1(143.9,79.57) v1(143.96,4.54) v1(144.03,74.9) v1(144.45,91.65) v1(144.5,68.4) v1(144.7,106.9) v1(145.33,24.65) v1(145.5,88.3) v1(145.75,79.9) v1(146,123.8) v1(146,122.5) v1(146,121.1) v1(146,119.7) v1(146,118.5) v1(146.25,99.9) v1(146.2,12.47) v1(146.4,127) v1(146.44,50.83) v1(146.42,34.16) v1(146.5,93.65) v1(146.5,4.45) v1(146.58,20.85) v1(146.72,84.25) v1(147.05,104.15) v1(147.33,81.95) v1(147.53,68.2) v1(147.62,86.88) v1(147.85,90.32) v1(147.93,79.9) v1(148,110.7) v1(148.4,99.55) v1(148.55,113.2) v1(148.9,87.22) v1(148.95,22.97) v1(149.05,4.39) v1(149.12,68.15) v1(149.65,89.05) v1(149.58,51) v1(150,30.2) v1(150.12,37.29) v1(150.71,54.55) v1(150.8,132.8) v1(150.8,113.7) v1(151.25,21.5) v1(151.3,108.65) v1(151.65,4.39) v1(151.68,81.15) v1(152,99.6) v1(152.4,113.4) v1(152.4,106.3) v1(152.43,94) v1(152.9,135.2) v1(152.91,41.45) v1(153.08,68.32) v1(153.68,80.35) v1(154,94.43) v1(154.01,4.42) v1(154.15,61.38) v1(154.2,34.8) v1(154.33,81.8) v1(154.58,120.22) v1(154.6,81.03) v1(154.94,87.37) v1(155,114) v1(155,106.2) v1(155.05,68.45) v1(155.18,81.86) v1(155.3,94) v1(155.3,39.74) v1(155.55,89.88) v1(155.5,76.4) v1(155.67,57.71) v1(156.06,135.1) v1(156,27.6) v1(156.39,88.5) v1(156.4,68.4) v1(156.63,50.88) v1(156.65,4.39) v1(157,122.25) v1(157.08,115.65) v1(157.17,84.27) v1(157.5,93) v1(157.5,18.35) v1(157.85,105.75) v1(157.92,118.15) v1(158.15,89.97) v1(158.45,116.08) v1(158.7,97.72) v1(158.96,88.51) v1(159.05,71.22) v1(159,68.6) v1(159.46,120.6) v1(159.61,72.31) v1(159.74,118.63) v1(159.74,82.04) v1(159.8,26.2) v1(159.89,127.08) v1(160.17,125.32) v1(160.14,68.72) v1(160.21,137.84) v1(160.21,129.08) v1(160.49,132.81) v1(160.73,130.77) v1(160.78,87.4) v1(160.85,75.15) v1(160.93,71.77) v1(161.15,59.9) v1(161.34,135.05) v1(161.51,82.19) v1(161.8,10.4) v1(162.22,75) v1(162.33,70.2) v1(162.4,93.03) v1(162.78,86.79) v1(162.8,35.2) v1(162.95,56) v1(163.1,102.83) v1(163.33,105.47) v1(163.38,117.58) v1(163.45,69) v1(163.4,42.4) v1(163.5,70.8) v1(163.6,1.8) v1(163.75,98.85) v1(163.74,81.68) v1(164.07,75.99) v1(164.05,72.28) v1(164.45,107.8) v1(164.6,22) v1(164.8,5.2) v1(164.9,41.57) v1(165.3,110.3) v1(165.4,109) v1(165.4,11.2) v1(165.48,79.28) v1(165.7,107.05) v1(165.76,89.07) v1(165.7,71.03) v1(166.25,112.2) v1(166.4,28.76) v1(166.72,76.75) v1(166.92,84.29) v1(167.31,125.32) v1(167.51,87.3) v1(167.63,92.65) v1(168.03,72.65) v1(168.1,68.2) v1(168.25,61.12) v1(168.54,129.16) v1(168.6,107.6) v1(168.83,127.08) v1(169,132.85) v1(168.99,120.91) v1(169.17,103.7) v1(169.33,97.8) v1(169.43,135.33) v1(169.92,54.05) v1(170.4,68.3) v1(170.7,107.4) v1(170.87,79.18) v1(171.02,75.87) v1(171.3,106.6) v1(171.85,82.8) v1(172.05,67.35) v1(172.14,87.65) v1(172.2,107.4) v1(172.2,106.6) v1(172.29,89.25) v1(172.87,76.58) v1(173,37.8) v1(173.12,73.08) v1(173.35,100.08) v1(173.4,130.32) v1(173.6,7.8) v1(173.8,21.6) v1(173.95,79.5) v1(174.23,86.93) v1(174.2,27.2) v1(174.2,11) v1(174.8,41.6) v1(174.95,131.79) v1(175.33,94) v1(175.39,126.47) v1(175.67,134.49) v1(176.27,61.22) v1(176.33,102.6) v1(176.28,74.75) v1(176.6,44.6) v1(176.8,104.75) v1(177.64,131.58) v1(177.6,102.6) v1(177.95,62.95) v1(177.99,126.04) v1(178.42,60.45) v1(178.5,113.7) v1(178.88,120.67) v1(179.12,121.78) v1(179.94,123.3) v1(180.1,107.4) v1(180.78,73.3) v1(180.92,70.18) v1(180.95,60.7) v1(181,112.4) v1(181,110.8) v1(181.7,108.9) v1(182,35.8) v1(182.17,76.22) v1(182.53,97.75) v1(182.72,109.3) v1(182.71,59.52) v1(182.7,20.97) v1(183,26) v1(183.17,123.25) v1(183.2,10.2) v1(183.4,67) v1(183.65,81.03) v1(183.85,104.55) v1(184.65,119.62) v1(185,107.5) v1(185.27,69.38) v1(185.33,112.53) v1(185.6,125.2) v1(185.58,85.47) v1(185.72,122.72) v1(186,9.6) v1(186.1,117.2) v1(186.83,109.47) v1(186.8,20.4) v1(186.9,106.45) v1(187.2,62.35) v1(187.47,96.33) v1(187.4,32.8) v1(187.6,121.5) v1(188.1,115.7) v1(188.2,119.8) v1(188.49,67.35) v1(189.2,52.88) v1(189.47,117.75) v1(189.5,115.2) v1(189.67,112.42) v1(189.67,110.25) v1(190,43.4) v1(190.14,59.01) v1(190.2,104.2) v1(190.4,2) v1(190.5,106.1) v1(190.58,62.5) v1(190.6,4.4) v1(191.42,89.88) v1(191.6,35.6) v1(192.35,50.85) v1(192.42,63.14) v1(192.6,65.89) v1(193,1.8) v1(195.17,58.57) v1(195.65,99.17) v1(195.6,51.8) v1(195.88,106.15) v1(195.88,68.93) v1(197,32) v1(197.93,66.55) v1(198,5.2) v1(198.6,40.6) v1(199.29,66.55) v1(199.4,81.6) v1(199.6,28.4) v1(199.8,93.8) v1(200.05,64.3) v1(200.18,60.38) v1(200.2,19) v1(201,4.4) v1(201.14,69.11) v1(203.6,51.8) v1(206,4.8) v1(206.8,42.4) v1(207.2,57) v1(208.2,72.8) v1(208.8,37.2) v1(211,31.2) v1(211.6,19.2) v1(211.8,62.4) v1(212,4.4) v1(214,48.2) v1(215,4) v1(216,19.4) v1(217,65.4) v1(217.6,45.8) v1(219.8,49.4) v1(219.8,31.2) v1(220.2,65.6) v1(220.2,22.72) v1(220.4,41.2) v1(222.8,31.2) v1(223.2,65.6)
VBAT: length 180.4
  Top w0.3: Q5.2 87.53,53.93 87,53.4 R29.2 86.22,41.25 86.22,41.24
  Top w0.5: v1(102.86,44.09) 102.85,44.08 89.03,44.08 83.96,39.01 PAD1.1
  Bottom w0.5: v1(102.86,44.09) 102.88,44.07 155.98,44.07 K1.8
  Bottom w3: v1(67.36,35.84) 63.49,31.97 55.38,31.97 44.51,21.1 26.69,21.1 26.43,20.84
  vias: v1(25.15,20.54) v1(25.65,21.59) v1(25.91,19.28) v1(26.54,20.6) v1(27.16,22.1) v1(27.5,19.87) v1(27.68,21.07) v1(28.44,19.06) v1(28.71,22.02) v1(28.87,20.71) v1(61.08,29.33) v1(61.81,34.27) v1(61.84,32.91) v1(61.91,30.99) v1(62.4,27.54) v1(63.03,35.58) v1(63.26,32.57) v1(63.33,31.09) v1(63.58,29.33) v1(63.86,34) v1(64.55,27.74) v1(65.79,35.32) v1(65.78,28.47) v1(66.27,36.32) v1(66.44,34.18) v1(67.35,36.9) v1(67.67,34.75) v1(67.91,29.36) v1(68.01,38.69) v1(68.06,32.24) v1(68.43,36.08) v1(68.74,33.68) v1(69.38,37.28) v1(70.08,39.65) v1(71.5,36.37)
VDDH: length 75.1
  Top w0.3: C52.2 169.55,112.4 168.9,113.05 K12.24
  Top w0.5: 165.42,91.29 174.66,82.06 K1.2 ; 165.42,91.29 175.65,91.29 v1(178.55,94.2) 179.05,94.7 v1(179.05,94.88) ; 165.42,91.29 152.55,91.29 152.55,89.97 R13.2 150.68,89.95 D7.2 ; v1(169.55,110.1) C52.2
  Bottom w0.5: v1(178.55,94.2) 179.05,94.7 v1(179.05,94.88) 179.05,96.74 169.55,106.24 v1(169.55,110.1)
